# Altium PCB WiFiSameScreen _STC15W4K48S4.PcbDoc
Units mil, origin at the board's own origin, x right, y up, seen from the top; angles counter-clockwise.
Board outline 2919 x 1899 mil, 2 copper layers (Top Layer, Bottom Layer); 42 components, 58 nets, 246 pads, 0 vias.
Unrouted connection lines stored in the file: 142.
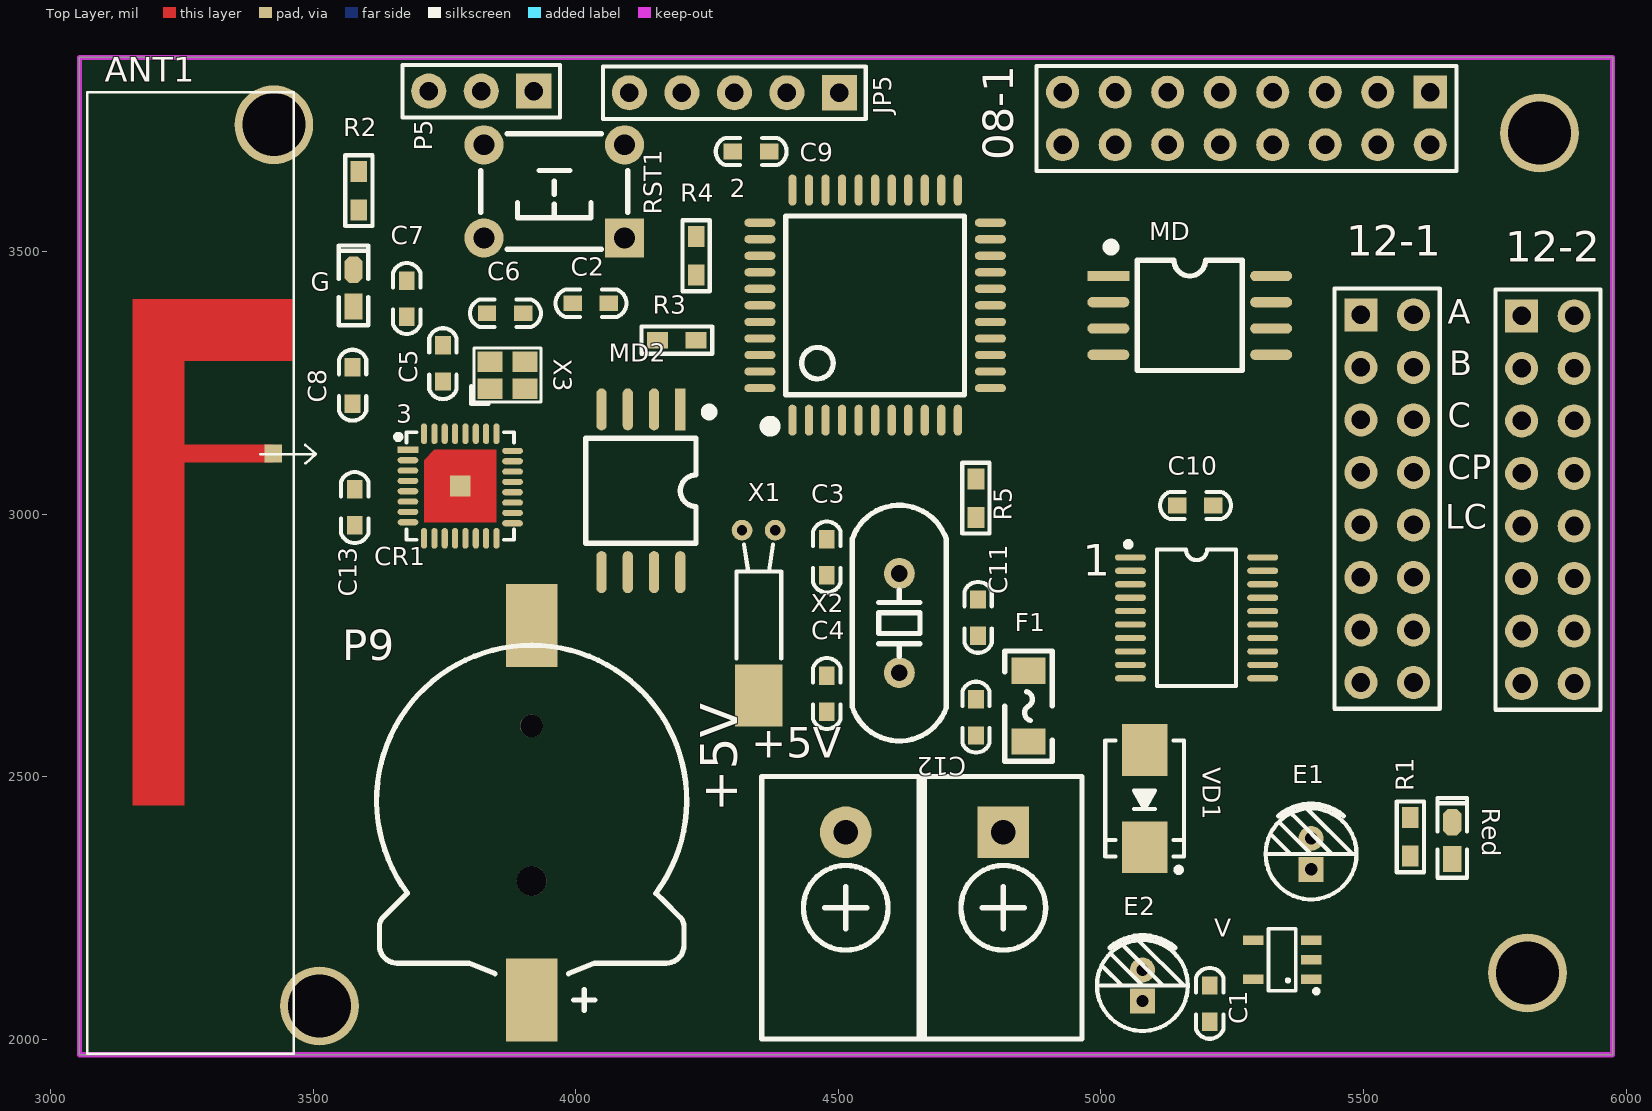
[diagram p0: Top Layer view]
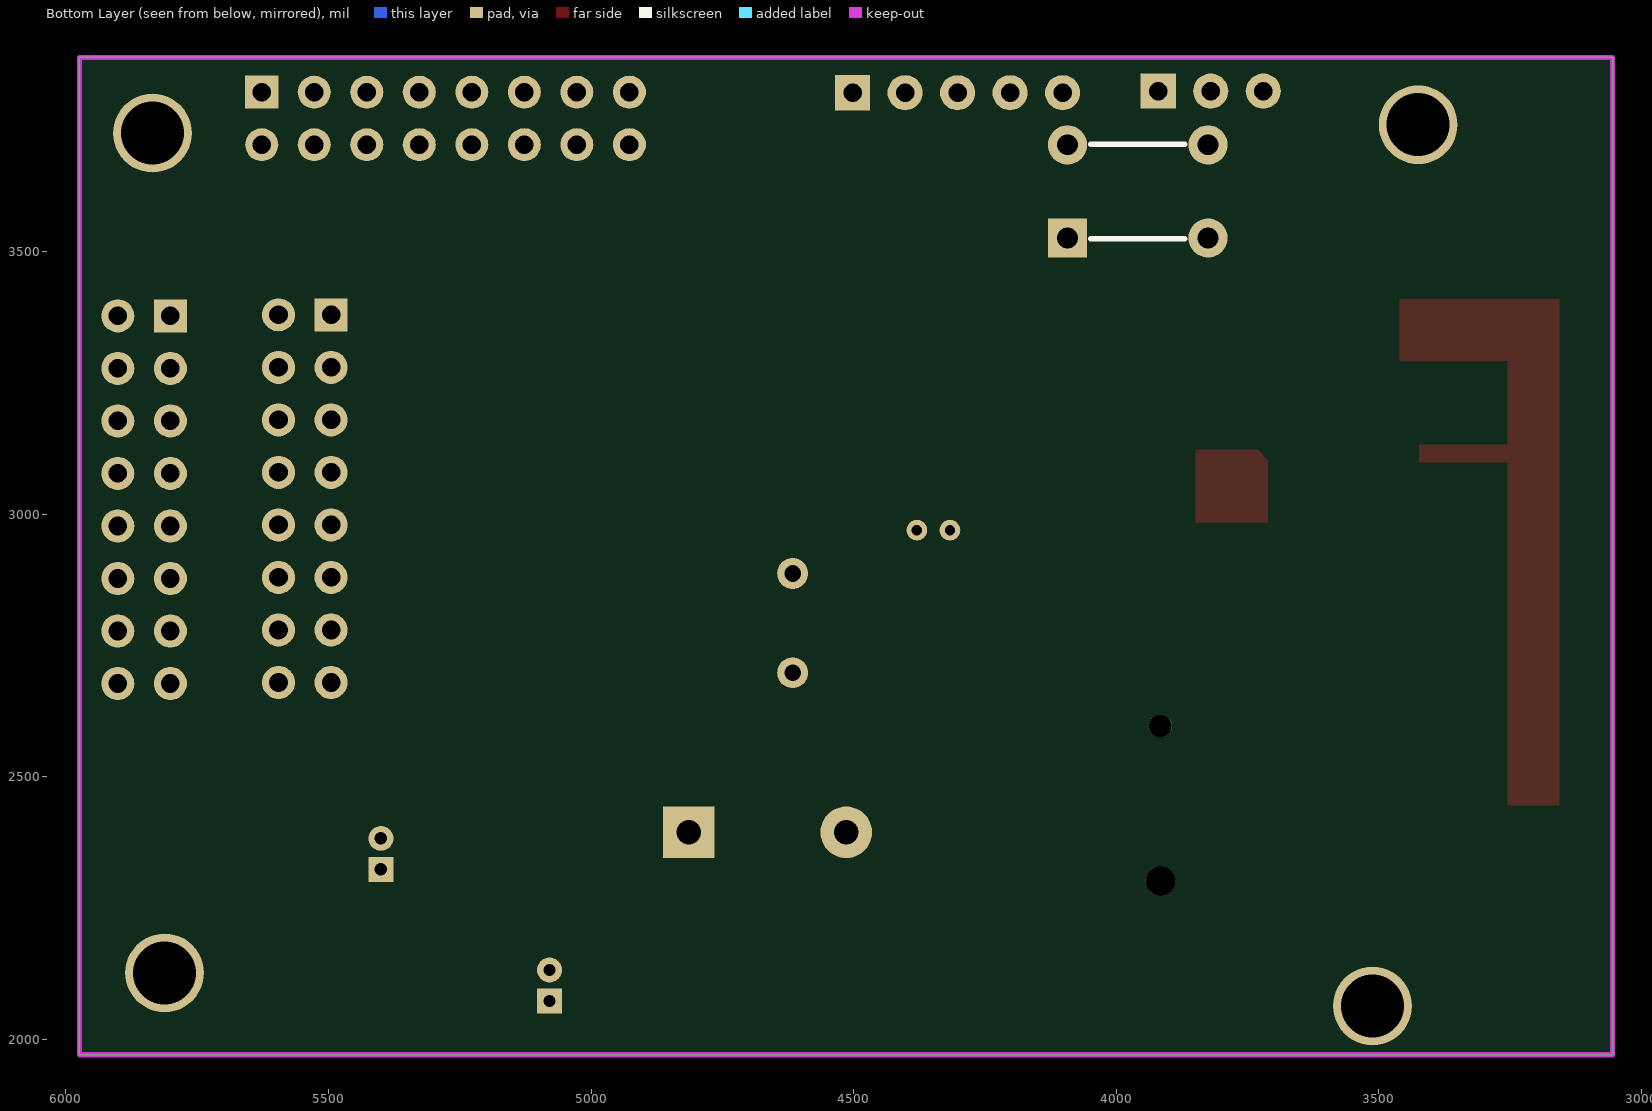
[diagram p1: Bottom Layer view, seen from below]

## Layer stack, top to bottom
Top Solder: solder mask 0.4, Solder Resist, Dk 3.5
Top Layer: signal copper 1.4
Dielectric 1: dielectric 12.6, FR-4, Dk 4.8
Bottom Layer: signal copper 1.4
Bottom Solder: solder mask 0.4, Solder Resist, Dk 3.5

## Board outline
3055,1971 5974,1971 5974,3870 3055,3870

## Design rules (kind name [scope] priority, off if disabled: settings)
Clearance [All] p1: gap=10 ignorepadtopadclearanceinfootprint=FALSE except(0: Arc-Hole Track-Hole SMDPad-Hole THPad-Hole Via-Hole Fill-Hole Poly-Hole Region-Hole Text-Hole)
HoleSize [All] p1: absolutevalues=TRUE maxlimit=150 minlimit=1 maxpercent=80.000 minpercent=20.000
HoleToHoleClearance [All] p1: gap=1 allowstackedmicrovias=TRUE
MinimumSolderMaskSliver [All] p1: minsoldermaskwidth=1
NetAntennae [All] p1: netantennaetolerance=2
PolygonConnect [All] p1: connectstyle=Relief reliefconductorwidth=10 reliefentries=4 polygonreliefangle="90 Angle" airgapwidth=10
RoutingVias [All] p1: holewidth=8 width=12 viastyle="Through Hole" minholewidth=28 minwidth=50 maxholewidth=28 maxwidth=50
SilkToSilkClearance [All] p1: silktosilkclearance=0
SilkToSolderMaskClearance [IsPad] p1: minsilkscreentomaskgap=0 clearancetoexposedcopper=TRUE
SolderMaskExpansion [All] p1: expansion=4
Width [All] p1: maxlimit=120 minlimit=6 preferedwidth=10
24 further rules are at their usual default settings.

## Components (designator, comment, footprint, x,y, rotation, side; value= is the part's Value field where it differs from the comment)
1 "74HC573" TSSOP20_N 5182,2803 r0 top
2 "STC15W4K48S4" "LQFP44 10X10_L" 4570,3398 r0 top
3 "8266EX" "QFN32 5x5_M" 3780,3054 r270 top
08-1 "Header 8X2" HDR2.54-LI-2x8P 5277,3754 r180 top (schematic designator JP3)
12-1 "Header 8X2" HDR2.54-LI-2x8P 5545,3030 r270 top (schematic designator JP1)
12-2 "Header 8X2" HDR2.54-LI-2x8P 5851,3028 r270 top (schematic designator JP2)
+5V "RS485" KF7620-2P 4664,2251 r180 top (schematic designator 5V)
ANT1 "ANT1" 2.4GANTF2 3290,3116 r90 top
C1 "104" "C 0603" 5207,2069 r90 top
C2 "10uF" "C 0603" 4029,3402 r0 top
C3 "104" "C 0603" 4478,2919 r90 top
C4 "104" "C 0603" 4478,2659 r90 top
C5 "6.8pF" "C 0603" 3747,3287 r270 top
C6 "6.8pF" "C 0603" 3866,3383 r0 top
C7 "1uF" "C 0603" 3678,3411 r90 top
C8 "1uF" "C 0603" 3575,3246 r90 top
C9 "10uF" "C 0603" 4334,3691 r0 top
C10 "0.1uF" "C 0603" 5180,3017 r0 top
C11 "TBD(NC)" "C 0603" 4766,2804 r90 top
C12 "2.4pF" "C 0603" 4762,2614 r90 top
C13 "3.0pF" "C 0603" 3579,3013 r270 top
CR1 "1220" CR1220_B 3916,2455.54 r270 top
E1 "10uF/10V" "CAP 1.5*4*8" 5400,2353.53 r90 top
E2 "10uF/10V" "CAP 1.5*4*8" 5079,2103 r90 top
F1 "MSMD200-8V 2A" "FU 1206" 4862,2635 r270 top
G "绿色" "LED 0603G" 3577,3431 r90 top
JP5 "HDR-1X5" HDR2.54-LI-5P 4302,3803 r180 top
MD "MD25BQSIG" SOP8W_L 5169,3379 r0 top
MD2 "MD25BQSIG" SOP8W_L 4124,3045 r270 top
P5 "HDR-1X3" HDR-1X3 3920,3806 r180 top (schematic designator JP4)
R1 "1K" "R 0603" 5589,2386 r270 top
R2 "1K" "R 0603" 3587,3616.5 r90 top
R3 "300R" "R 0603" 4192.5,3332 r0 top
R4 "10K" "R 0603" 4229,3492.5 r270 top
R5 "12K" "R 0603" 4762,3031 r90 top
Red "红色" "LED 0603R" 5669,2379 r90 top
RST1 "3x6x5" "TSW DIP-6*6*5" 3959,3615 r180 top
V "RT9193-3.3" SOT23-5L 5345,2152 r90 top
VD1 "SS24" SMB 5083,2459 r270 top
X1 "12MHz" OSC-2x6-WI-B 4348,2969.96 r180 top
X2 "22.1184MHz" "XTAL-49S DIP" 4616,2793 r90 top
X3 "26M" "OSC 2025-4P" 3870,3265 r0 top

## Footprints (in the part's own frame and the unit in brackets; to place one, negate y for a bottom-side part, rotate by r counter-clockwise, add the part's x,y. Pads: shape width x height; smd on the part's side, far side on the other; paste and mask are expansions set on the pad)
2.4GANTF2 [mil]
  rect 34x34 smd: 1(0,-134)
  Top Layer region: -670.28,35.43 294.29,35.43 294.29,133.86 -670.28,133.86
  Top Layer region: -16.96,-133.86 17.04,-133.86 17.04,133.86 -16.96,133.86
  Top Layer region: 176.18,-170.28 294.29,-170.28 294.29,133.86 176.18,133.86
  silkscreen extent -1143,-215 688,220
"C 0603" [mil] "无极性贴片电容"
  rect 35x30 smd: 1(-35,0) 2(34,0)
  silkscreen extent -67,-26 67,26, body extent -31,-16 31,16, height 32
"CAP 1.5*4*8" [mm] "脚距1.5mm直径4mm高度8mm"
  rect 1.2x1.2 hole 0.6: 1(-0.75,0)
  round 1.2 hole 0.6: 2(0.75,0)
  silkscreen extent -2.2,-2.2 2.41,2.2, body extent -2,-2 2.02,2, height 8.04
CR1220_B [mm] "纽扣电池座"
  round 1.1 hole 1.1: 0(-3.6,0)
  round 1.45 hole 1.45: 0(3.9,0)
  rect 4x2.5 smd: 1(9.652,0) 2(-8.458,0)
  silkscreen extent -7.5,-7.5 10.16,7.5, body extent -9.42,-7.45 10.34,7.45, height 4.05
"FU 1206" [mil] "贴片保险丝"
  rect 50x65 smd: 1(-67.5,0) 2(67.5,0)
  silkscreen extent -105,-45 105,45, body extent -63,-32 63,32, height 34
HDR2.54-LI-2x8P [mm] "双排排针，8x2脚"
  rect 1.6x1.6 hole 0.9: 1(-8.89,-1.27)
  round 1.6 hole 0.9: 2(-8.89,1.27) 3(-6.35,-1.27) 4(-6.35,1.27) 5(-3.81,-1.27) 6(-3.81,1.27) 7(-1.27,-1.27) 8(-1.27,1.27) 9(1.27,-1.27) 10(1.27,1.27) 11(3.81,-1.27) 12(3.81,1.27) 13(6.35,-1.27) 14(6.35,1.27) 15(8.89,-1.27) 16(8.89,1.27)
  silkscreen extent -10.16,-2.54 10.16,2.54, body extent -10.16,-2.54 10.16,2.54, height 8.5
HDR2.54-LI-5P [mm] "排针，5脚"
  rect 1.7x1.7 hole 0.9: 1(-5.08,0)
  round 1.7 hole 0.9: 2(-2.54,0) 3(0,0) 4(2.54,0) 5(5.08,0)
  silkscreen extent -6.35,-1.27 6.35,1.27, body extent -6.35,-1.27 6.35,1.27, height 8.5
HDR-1X3 [mm] "排针，3脚"
  rect 1.7x1.7 hole 0.9: 1(0,0)
  round 1.7 hole 0.9: 2(2.54,0) 3(5.08,0)
  silkscreen extent -1.27,-1.27 6.35,1.27, body extent -1.27,-1.27 6.35,1.27, height 8.5
KF7620-2P [mm] "15.2*12*12mm(长宽高)"
  rect 2.5x2.5 hole 1.2: 1(-3.81,-3.65)
  round 2.5 hole 1.2: 2(3.81,-3.65)
  silkscreen extent -7.62,-6.35 7.87,6.35, body extent -7.62,-6.2 8.32,6.2, height 12.45
"LED 0603G" [mil] "绿色0603LED"
  rect 50x35 smd: 1(-35,0.26)
  oct 50x35 smd: 2(35,0.26)
  silkscreen extent -71,-28 81,28, body extent -31,-16 32,16, height 24
"LED 0603R" [mil] "红色0603LED"
  rect 50x35 smd: 1(-35,0.26)
  oct 50x35 smd: 2(35,0.26)
  silkscreen extent -71,-28 81,28, body extent -31,-16 32,16, height 24
"LQFP44 10X10_L" [mm] "44脚，体宽10x10mm，脚距0.8mm"
  oval 0.4x1.5 smd: 1(-4,-5.551) 2(-3.2,-5.551) 3(-2.4,-5.551) 4(-1.6,-5.551) 5(-0.8,-5.551) 6(0,-5.551) 7(0.8,-5.551) 8(1.6,-5.551) 9(2.4,-5.551) 10(3.2,-5.551) 11(4,-5.551) 23(4,5.578) 24(3.2,5.578) 25(2.4,5.578) 26(1.6,5.578) 27(0.8,5.578) 28(0,5.578) 29(-0.8,5.578) 30(-1.6,5.578) 31(-2.4,5.578) 32(-3.2,5.578) 33(-4,5.578)
  oval 1.5x0.4 smd: 12(5.575,-4) 13(5.575,-3.2) 14(5.575,-2.4) 15(5.575,-1.6) 16(5.575,-0.8) 17(5.575,0) 18(5.575,0.8) 19(5.575,1.6) 20(5.575,2.4) 21(5.575,3.2) 22(5.575,4) 34(-5.575,4) 35(-5.575,3.2) 36(-5.575,2.4) 37(-5.575,1.6) 38(-5.575,0.8) 39(-5.575,0) 40(-5.575,-0.8) 41(-5.575,-1.6) 42(-5.575,-2.4) 43(-5.575,-3.2) 44(-5.575,-4)
  silkscreen extent -5.33,-6.09 4.32,4.32, body extent -6,-6 6,6, height 1.45
"OSC 2025-4P" [mm] "2*2.5*0.55mm(长宽高)"
  rect 1.2x1 smd: 1(-0.85,-0.65) 2(0.85,-0.65) 3(0.85,0.65) 4(-0.85,0.65)
  silkscreen extent -1.75,-1.4 1.63,1.32, body extent -1.25,-1 1.25,1, height 0.55
OSC-2x6-WI-B [mm] "脚距：1.6mm"
  rect 2.3x3 smd: 0(0,8)
  round 1 hole 0.5: 1(0.8,0) 2(-0.8,0)
  silkscreen extent -1.1,0.7 1.07,6.2, body extent -1,-0.16 1,8, height 2.05
"QFN32 5x5_M" [mm] "32脚，长x宽x高：5x5x0.95mm，脚距：0.5mm"
  rect 0.3x1 smd: 1(-1.751,-2.528)
  oval 0.3x1 smd: 2(-1.25,-2.528) 3(-0.75,-2.528) 4(-0.25,-2.528) 5(0.25,-2.528) 6(0.75,-2.528) 7(1.25,-2.528) 8(1.75,-2.528) 17(1.8,2.528) 18(1.3,2.528) 19(0.8,2.528) 20(0.3,2.528) 21(-0.2,2.528) 22(-0.7,2.528) 23(-1.2,2.528) 24(-1.7,2.528)
  oval 1x0.3 smd: 9(2.528,-1.75) 10(2.528,-1.25) 11(2.528,-0.75) 12(2.528,-0.25) 13(2.528,0.25) 14(2.528,0.75) 15(2.528,1.25) 16(2.528,1.75) 25(-2.528,1.75) 26(-2.528,1.25) 27(-2.528,0.75) 28(-2.528,0.25) 29(-2.528,-0.25) 30(-2.528,-0.75) 31(-2.528,-1.25) 32(-2.528,-1.75)
  rect 1x1 smd: 33(0,0)
  Top Layer region: -1.75,1.75 1.75,1.75 1.75,-1.75 -1.25,-1.75 -1.75,-1.25
  silkscreen extent -2.6,-3.12 2.6,2.6, body extent -2.5,-2.5 2.5,2.5, height 0.93
"R 0603" [mil] "1/10W贴片电阻"
  rect 40x31.5 smd: 1(-36.5,0) 2(36.5,0)
  silkscreen extent -68,-26 68,26, body extent -31,-16 32,16, height 16
SMB [mm] "4.7*3.9*2.2mm(长宽高，不包括引脚）"
  rect 2.5x2.2 smd: 1(-2.35,0) 2(2.35,0)
  silkscreen extent -2.8,-1.9 3.57,1.9, body extent -2.63,-1.8 2.67,1.8, height 2.35
SOP8W_L [mil] "5.3*8.3*1.8mm（长宽高）"
  rect 80x19.68 smd: 1(-155,75)
  oval 80x19.68 smd: 2(-155,25) 3(-155,-25) 4(-155,-75) 5(155,-75) 6(155,-25) 7(155,25) 8(155,75)
  silkscreen extent -156,-105 100,136, body extent -155,-104 155,104, height 75
SOT23-5L [mm] "3x1.6x1.1mm(长宽高)"
  rect 0.45x1 smd: 1(-0.95,-1.4) 2(0,-1.4) 3(0.95,-1.4) 4(0.95,1.4) 5(-0.95,1.4)
  silkscreen extent -1.6,-1.73 1.5,0.66, body extent -1.5,-1.4 1.5,1.4, height 1.15
TSSOP20_N [mm] "6.5*6.4*1（长宽高）"
  oval 1.5x0.3 smd: 1(-3.2,2.925) 2(-3.2,2.275) 3(-3.2,1.625) 4(-3.2,0.975) 5(-3.2,0.325) 6(-3.2,-0.325) 7(-3.2,-0.975) 8(-3.2,-1.625) 9(-3.2,-2.275) 10(-3.2,-2.925) 11(3.2,-2.925) 12(3.2,-2.275) 13(3.2,-1.625) 14(3.2,-0.975) 15(3.2,-0.325) 16(3.2,0.325) 17(3.2,0.975) 18(3.2,1.625) 19(3.2,2.275) 20(3.2,2.925)
  silkscreen extent -3.43,-3.3 1.91,3.69, body extent -3.2,-3.25 3.2,3.25, height 1.03
"TSW DIP-6*6*5" [mm] "6*6*5mm"
  rect 1.9x1.9 hole 1: 1(-3.4,2.25)
  round 1.9 hole 1: 2(-3.4,-2.25) 3(3.4,-2.25) 4(3.4,2.25)
  silkscreen extent -3.56,-2.79 3.56,2.79, body extent -4.11,-3 4.11,3, height 4.95
"XTAL-49S DIP" [mm]
  round 1.5 hole 0.8: 1(-2.4,0) 2(2.4,0)
  silkscreen extent -5.7,-2.28 5.7,2.28, body extent -5.68,-2.35 5.68,2.3, height 3.5

## Part data
1: "D类三态输出锁存器", BOM名称=三态输出锁存器, 学习资源=www.ooocke.com, 版权归属=源创客
2: library part STC15W4K48S4-44pin, "STC单片机", BOM名称=STC单片机, 学习资源=www.ooocke.com, 版权归属=源创客
3: library part ESP8266, "ESP", BOM名称=STC单片机, 学习资源=www.ooocke.com, 版权归属=源创客
08-1 12-1 12-2: "8*2P接插件", BOM名称=8*2P接插件, 学习资源=www.ooocke.com, 版权归属=源创客
+5V: library part HEAD2, "KF301"
ANT1: "PCB板载天线", BOM名称=PCB板载天线, 学习资源=www.ooocke.com, 版权归属=源创客
C1 C2 C3 C4 C5 C6 C7 C8 C9 C10 C11 C12 C13: library part C, "无极性贴片电容", BOM名称=无极性贴片电容, 学习资源=www.ooocke.com, 版权归属=源创客
CR1: library part CR-3V, "微型电池", BOM名称=微型电池, 学习资源=www.ooocke.com, 版权归属=源创客
E1 E2: library part C-CT, "贴片固态电容", BOM名称=贴片固态电容, 学习资源=www.ooocke.com, 版权归属=源创客
F1: library part FU, "贴片保险丝", BOM名称=贴片保险丝, 学习资源=www.ooocke.com, 版权归属=源创客
G Red: library part LED-SMD, "贴片LED", BOM名称=贴片LED, 学习资源=www.ooocke.com, 版权归属=源创客
JP5: library part "Header 5", "5P接插件", BOM名称=5P接插件, 学习资源=www.ooocke.com, 版权归属=源创客
MD MD2: library part W25Qxx, "外置Flash", BOM名称=外置Flash, 学习资源=www.ooocke.com, 版权归属=源创客
P5: library part "Header 3", "3P接插件", BOM名称=3P接插件, 学习资源=www.ooocke.com, 版权归属=源创客
R1 R2 R3 R4 R5: library part R, "贴片电阻", BOM名称=贴片电阻, 学习资源=www.ooocke.com, 版权归属=源创客
RST1: library part "TSW 3x6", "3x6轻触开关", BOM名称=3x6轻触开关, 学习资源=www.ooocke.com, 版权归属=源创客
V: library part RT9193, "LOD稳压芯片", BOM名称=稳压芯片, 学习资源=www.ooocke.com, 版权归属=源创客
VD1: "肖特基二极管", BOM名称=肖特基二极管, 学习资源=www.ooocke.com, 属性=40V/2A, 版权归属=源创客
X1 X2: library part XTAL-2, "2脚晶振", BOM名称=2脚晶振, 学习资源=www.ooocke.com, 版权归属=源创客
X3: library part XTAL-4P, "4脚无源晶振", BOM名称=4脚无源晶振, 学习资源=www.ooocke.com, 版权归属=源创客

## Free pads (board coordinates)
  round 150 hole 120: 1(3512,2064) 2(5835,3726) 3(3425,3742) 4(5812,2127)

## Nets (pads, with @x,y where several pads share a name; then routed paths per layer and width w, separated by ;. In a path a pad name is that pad's centre, name@x,y a point inside that pad or via, vN(x,y) a via of type N, cw(c..) or ccw(c..) an arc to the next point about the centre after c; other vN are vias at no path point)
1_3: 08-1.10 12-1.14
1D1: 1.9 2.40
1D2: 1.8 2.41
1D3: 1.7 2.42
1D4: 1.6 2.43
1D5: 1.5 2.44
1D6: 1.4 2.1
1D7: 1.3 2.2
1D8: 1.2 2.3
1Q1: 1.12 08-1.8 12-1.16 12-2.16
1Q2: 1.13 08-1.6 12-1.6 12-2.6
1Q3: 1.14 08-1.4 12-1.4 12-2.4
1Q4: 1.15 08-1.2 12-1.2 12-2.2
1Q5: 1.16
1Q6: 1.17 08-1.16 12-1.8 12-2.8
1Q7: 1.18 08-1.7 12-1.1 12-2.1
1Q8: 1.19 08-1.14 12-1.10 12-2.10
2_3: 08-1.12 12-2.14
13: 08-1.9 12-1.12
23: 08-1.11 12-2.12
ADC: 2.7
CE: 2.6
CSN: 2.28
GND: 1.1 1.10 2.16 +5V.1 C1.1 C3.1 C4.1 C5.1 C6.1 C7.1 C8.1 C9.1 C10.1 C11.1 C12.1 C13.1 CR1.2 E1.2 E2.2 JP5.2 MD2.4 MD.4 R1.2 R2.2 R4.1 R5.2 V.2 X3.2 X3.4
GPIO0: 3.15 P5.3
LAN: 3.2 ANT1.1 C12.2 C13.2
LED: G.1
MISO: 2.9 MD.2
MOS1: 2.38
MOSI: 2.8 MD.5
Net2_11: 2.11 C3.2 X2.2
Net2_12: 2.12 C4.2 X2.1
Net3_27: 3.27 C6.2 X3.3
Net3_28: 3.28 C5.2 X3.1
Net3_31: 3.31 R5.1
Net5V_2: +5V.2 F1.1
NetC1_2: C1.2 V.4
NetC2_1: C2.1 R3.2 R4.2 RST1.1
NetE2_1: E2.1 F1.2 VD1.1
NetG_2: G.2 R2.1
NetJP1_3: 12-1.3 12-1.5 12-1.7 12-1.9 12-1.11 12-1.13 12-1.15
NetJP2_3: 12-2.3 12-2.5 12-2.7 12-2.9 12-2.11 12-2.13 12-2.15
NetJP3_1: 08-1.1 08-1.3 08-1.5
NetJP3_13: 08-1.13 08-1.15
NetR1_1: R1.1 Red.2
RST: 2.13 3.32 R3.1
RXD: 2.18 3.26 JP5.3 P5.1
SCK/CLK: 3.21 MD2.6
SCLK: 2.10 MD.6
SCS/CMD: 3.20 MD2.1
SDI/SD1: 3.23 MD2.5
SDO/SD0: 3.22 MD2.2
SHD/SD2: 3.18 MD2.7
SWP/SD3: 3.19 MD2.3
TXD: 2.19 3.25 JP5.4 P5.2
VCC_3.3: MD2.8 MD.3 MD.7 MD.8 Red.1 V.5
VCC_M: 1.11 1.20 2.14 3.1 3.3 3.4 3.11 3.17 3.29 3.30 C2.2 C7.2 C8.2 C9.2 C10.2 C11.2 CR1.1 E1.1 JP5.5 V.1 V.3 VD1.2
W25_NSS: 2.39 MD.1
pads on no net: 2.4 2.5 2.15 2.17 2.20 2.21 2.22 2.23 2.24 2.25 2.26 2.27 2.29 2.30 2.31 2.32 2.33 2.34 2.35 2.36 2.37 3.5 3.6 3.7 3.8 3.9 3.10 3.12 3.13 3.14 3.16 3.24 3.33 CR1.0 JP5.1 RST1.2 RST1.3 RST1.4 X1.0 X1.1 X1.2

## Keep-outs
Keep-Out Layer:
  the board outline again, w10

## Silkscreen, mask and mechanical layers (free items; w line width, h text height)
Top Overlay:
  text "A" at 5660,3348 h80
  text "B" at 5663,3250 h80
  text "C" at 5660,3151 h80
  text "CP" at 5660,3052 h80
  text "LC" at 5656,2957 h80
  text "P9" at 3555,2703 h100
  text "+5V" at 4334,2518 h100